# Altium PCB 运动控制板.PcbDoc (part 2 of 3) (continued)
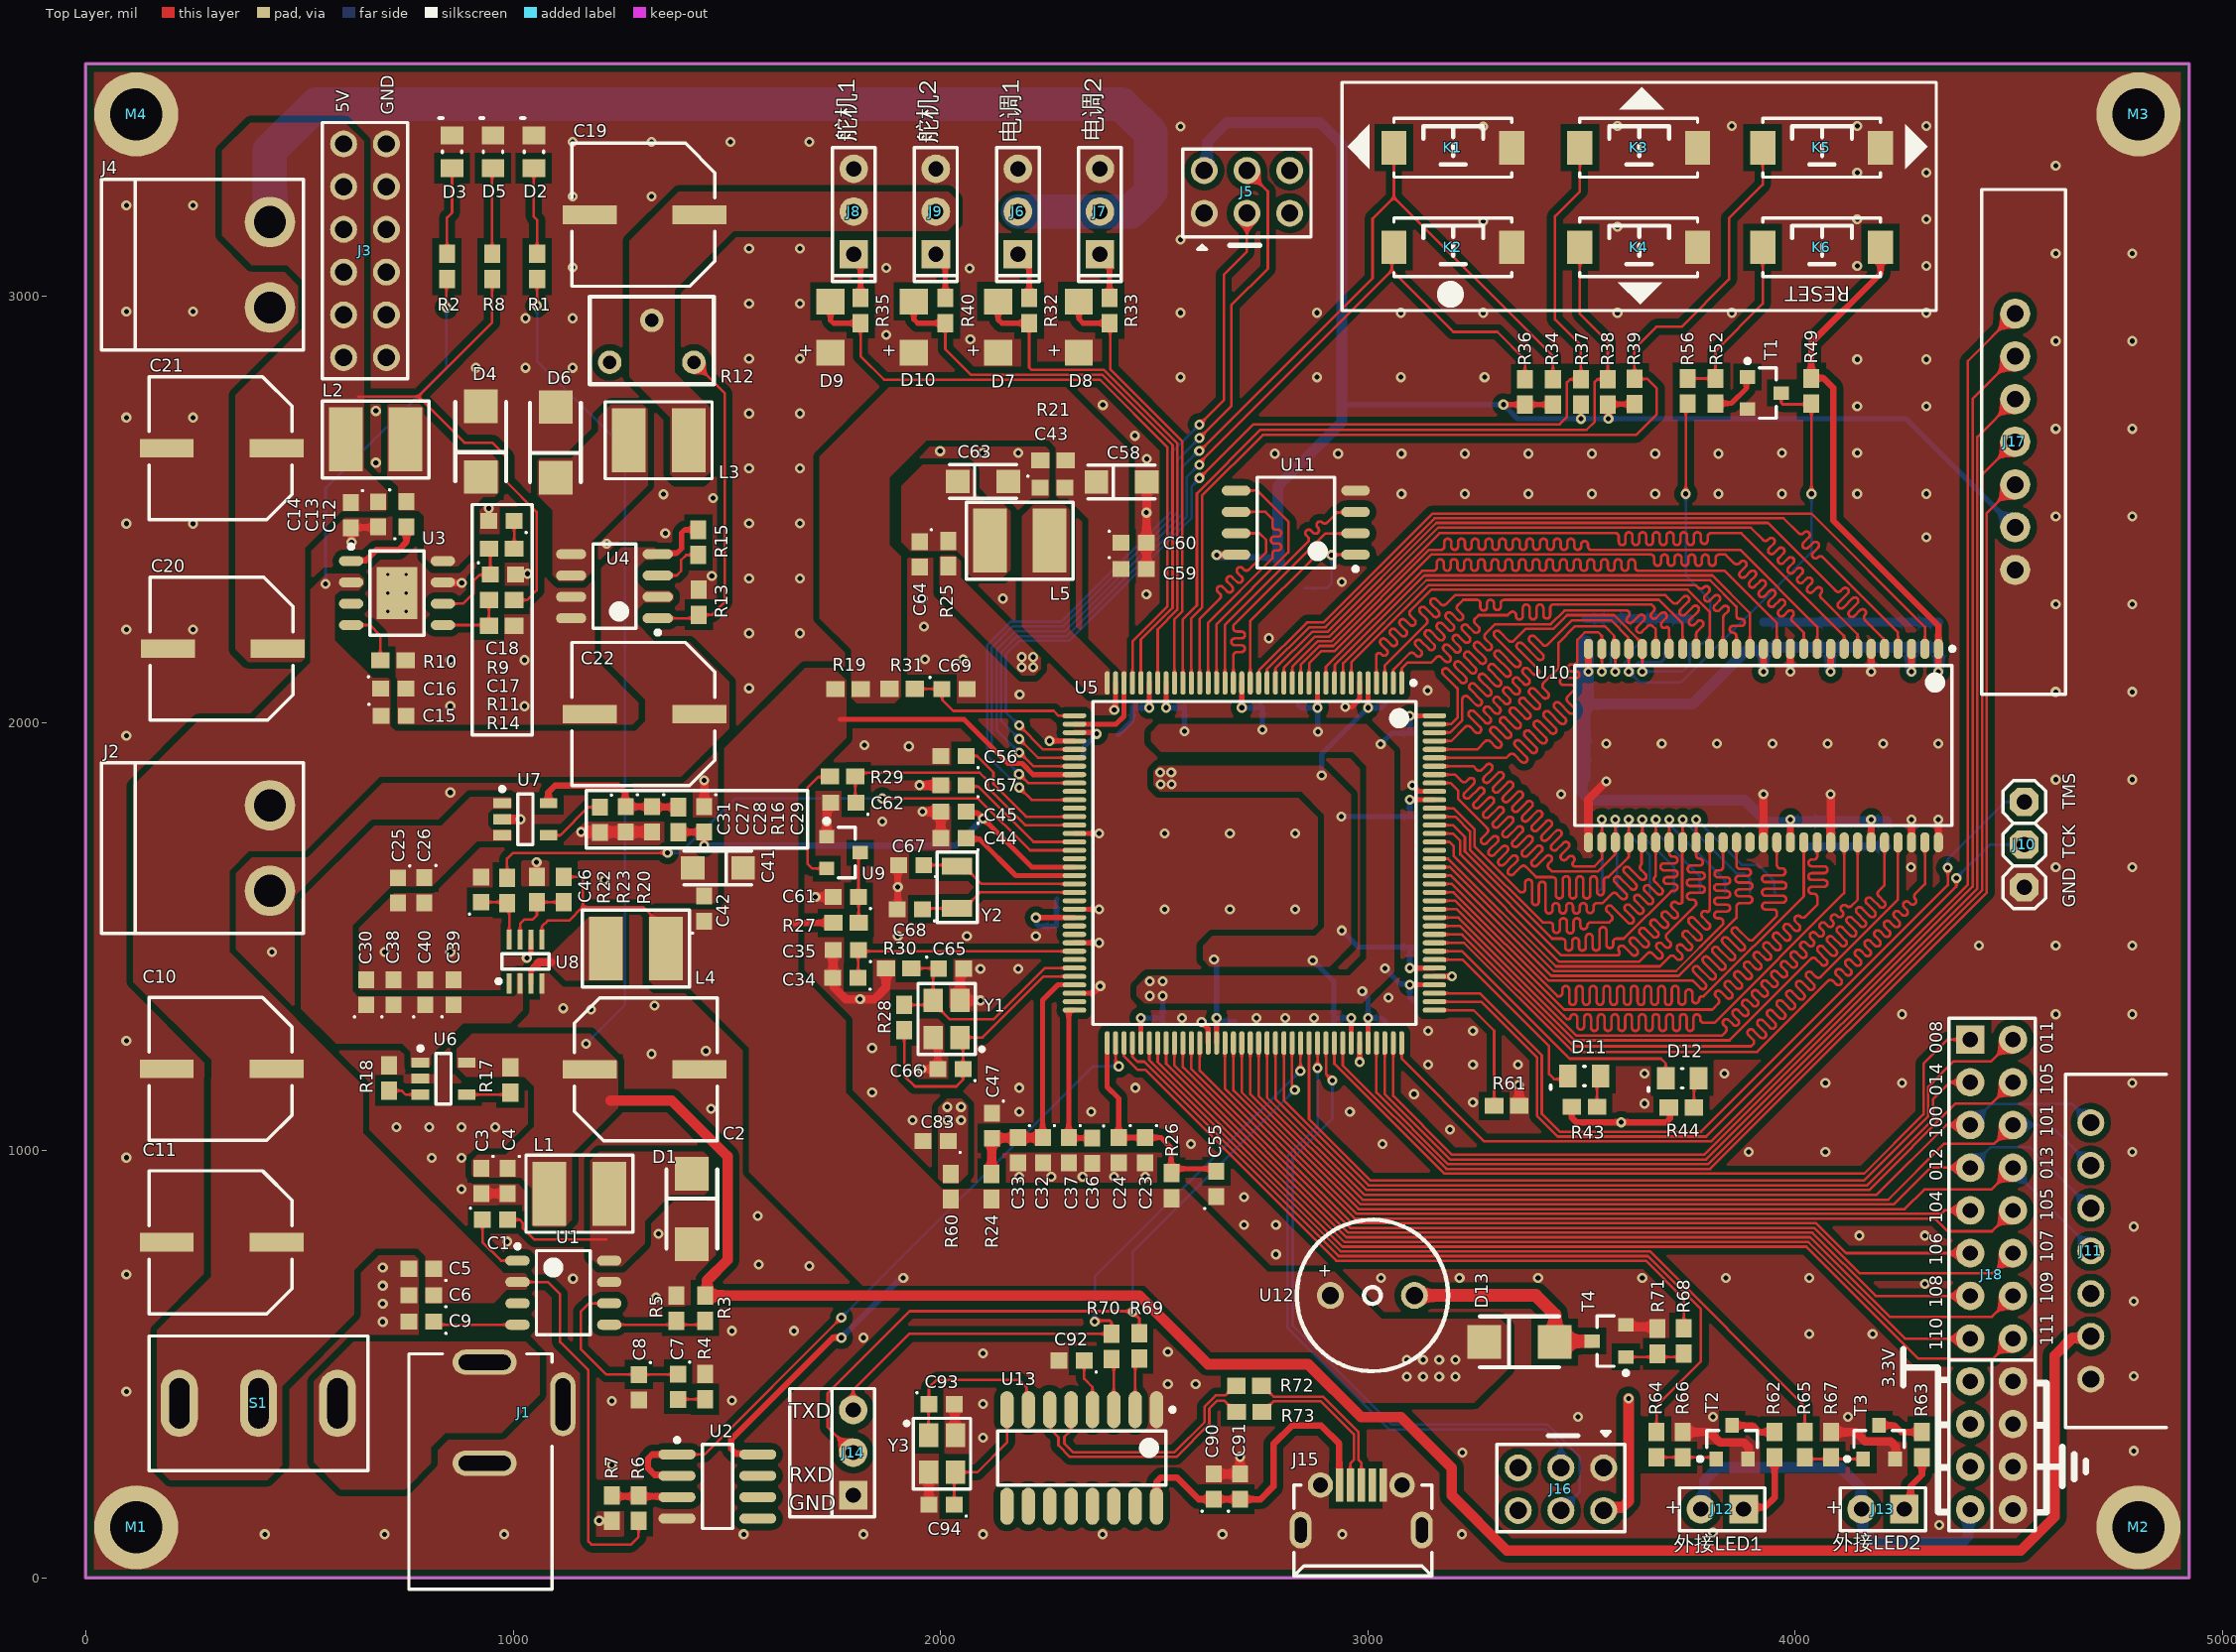
[diagram p0: Top Layer view]
## Nets (pads, with @x,y where several pads share a name; then routed paths per layer and width w, separated by ;. In a path a pad name is that pad's centre, name@x,y a point inside that pad or via, vN(x,y) a via of type N, cw(c..) or ccw(c..) an arc to the next point about the centre after c; other vN are vias at no path point) (continued)
EMC_08: U5.9 U10.15 | length 1220.9
  Top Layer w6: U5.9@2921.59,2094.44 2922.7,2095.55 2922.7,2136.7 3131.96,2345.96 3806.04,2345.96 3894.04,2257.96 U10.15@3894.04,2174.23
EMC_09: U5.8 U10.16 | length 1220.8
  Top Layer w6: U5.8@2942.39,2095.55 2942.39,2140.39 3136.96,2334.96 3800.48,2334.96 3862.55,2272.9 3862.55,2252 ccw(c3870.55,2252) 3870.55,2244 3873.8,2244 cw(c3873.8,2236) 3881.8,2236 cw(c3873.8,2236) 3873.8,2228 3854.55,2228 ccw(c3854.55,2220) 3846.55,2220 ccw(c3854.55,2220) 3854.55,2212 cw(c3854.55,2204) 3862.55,2204 U10.16@3862.55,2174.23 U10.16@3862.55,2173.26
EMC_10: U5.7 U10.17 | length 1220.1
  Top Layer w6: U5.7@2961.44,2095.35 2961.44,2142.44 3142.57,2323.57 3767.43,2323.57 3773.68,2317.32 ccw(c3779.34,2322.98) 3784.99,2317.31 3785.98,2318.31 cw(c3791.63,2312.65) 3797.29,2318.31 cw(c3791.63,2312.65) 3797.29,2306.99 3789.08,2298.79 ccw(c3794.74,2293.13) 3789.08,2287.47 ccw(c3794.74,2293.13) 3800.4,2287.47 3810.75,2297.82 cw(c3816.41,2292.17) 3822.06,2297.82 cw(c3816.41,2292.17) 3822.06,2286.51 3811.71,2276.16 ccw(c3817.37,2270.5) 3811.71,2264.84 ccw(c3817.37,2270.5) 3823.03,2264.84 3830.91,2272.73 cw(c3836.57,2267.07) 3842.23,2272.73 cw(c3836.57,2267.07) 3842.23,2261.42 3833.39,2252.58 ccw(c3839.05,2246.93) 3831.05,2246.93 U10.17@3831.05,2174.23
EMC_11: U5.4 U10.18 | length 1221
  Top Layer w6: U5.4@3020.02,2094.44 3020.02,2158.61 cw(c3026.02,2158.61) 3030.28,2162.84 3032.58,2160.54 ccw(c3038.24,2166.19) 3043.89,2160.54 ccw(c3038.24,2166.19) 3043.89,2171.85 3030.81,2184.94 cw(c3036.46,2190.59) 3030.81,2196.25 cw(c3036.46,2190.59) 3042.12,2196.25 3055.21,2183.16 ccw(c3060.87,2188.82) 3066.52,2183.16 ccw(c3060.87,2188.82) 3066.52,2194.48 3053.43,2207.56 cw(c3059.09,2213.22) 3053.43,2218.88 cw(c3059.09,2213.22) 3064.75,2218.88 3077.84,2205.79 ccw(c3083.49,2211.45) 3089.15,2205.79 ccw(c3083.49,2211.45) 3089.15,2217.11 3076.06,2230.19 cw(c3081.72,2235.85) 3076.06,2241.51 cw(c3081.72,2235.85) 3087.38,2241.51 3098.21,2230.68 ccw(c3103.86,2236.33) 3109.52,2230.68 ccw(c3103.86,2236.33) 3109.52,2241.99 3099.41,2252.1 cw(c3105.07,2257.75) 3099.4,2263.4 3148.4,2312.4 3748.6,2312.4 3799.56,2261.44 U10.18@3799.56,2174.23
EMC_12: U5.3 U10.19 | length 1223.1
  Top Layer w6: U5.3@3039.7,2094.44 3039.7,2135.7 3137.22,2233.22 ccw(c3131.56,2238.87) 3137.22,2244.52 3122.67,2259.08 cw(c3128.33,2264.73) 3122.67,2270.39 cw(c3128.33,2264.73) 3133.98,2270.39 3153.7,2250.67 ccw(c3159.36,2256.33) 3165.02,2250.67 ccw(c3159.36,2256.33) 3165.02,2261.98 3148.36,2278.64 cw(c3154.02,2284.29) 3148.36,2289.95 cw(c3154.02,2284.29) 3159.68,2289.95 3171.16,2278.47 ; 3171.16,2278.46 ccw(c3176.81,2284.13) 3182.46,2278.46 3204,2300 3696,2300 3713.73,2282.27 ccw(c3719.39,2287.93) 3725.04,2282.26 3738.45,2295.68 cw(c3744.11,2290.02) 3749.77,2295.68 cw(c3744.11,2290.02) 3749.77,2284.36 3731.14,2265.73 ccw(c3736.79,2260.08) 3731.14,2254.42 ccw(c3736.79,2260.08) 3742.45,2254.42 3761.08,2273.05 cw(c3766.74,2267.39) 3772.39,2273.05 cw(c3766.74,2267.39) 3772.39,2261.74 3753.22,2242.56 ccw(c3758.88,2236.91) 3753.22,2231.25 ccw(c3758.88,2236.91) 3764.53,2231.25 3771.58,2238.3 cw(c3777.24,2232.64) 3782.9,2238.3 cw(c3777.24,2232.64) 3782.9,2226.99 3770.4,2214.49 ccw(c3776.06,2208.83) 3768.06,2208.83 U10.19@3768.06,2174.23 U10.19@3768.06,2172.28
EMC_13: U5.2 U10.20 | length 1221.1
  Top Layer w6: U5.2@3059.39,2094.44 3059.39,2125.39 3097.12,2163.12 cw(c3102.77,2157.46) 3108.42,2163.12 3112.89,2158.66 ccw(c3118.55,2164.31) 3124.21,2158.66 ccw(c3118.55,2164.31) 3124.21,2169.97 3112.52,2181.65 cw(c3118.18,2187.31) 3112.52,2192.97 cw(c3118.18,2187.31) 3123.84,2192.97 3143.08,2173.73 ccw(c3148.74,2179.38) 3154.39,2173.72 ccw(c3148.74,2179.38) 3154.39,2185.04 3135.15,2204.28 cw(c3140.81,2209.94) 3135.15,2215.59 cw(c3140.81,2209.94) 3146.46,2215.59 3165.71,2196.35 ccw(c3171.36,2202.01) 3177.02,2196.35 ccw(c3171.36,2202.01) 3177.02,2207.67 3162.95,2221.73 cw(c3168.61,2227.39) 3162.95,2233.05 cw(c3168.61,2227.39) 3174.27,2233.05 3188.33,2218.98 ccw(c3193.99,2224.64) 3199.65,2218.98 ccw(c3193.99,2224.64) 3199.65,2230.29 3184.02,2245.92 cw(c3189.67,2251.58) 3184.02,2257.24 cw(c3189.67,2251.58) 3195.33,2257.24 3209.36,2243.21 ccw(c3215.02,2248.87) 3220.67,2243.21 ccw(c3215.02,2248.87) 3220.67,2254.52 3210.26,2264.94 cw(c3215.91,2270.6) 3210.25,2276.25 3223,2289 3255,2289 cw(c3255,2281) 3263,2281 3263,2272 ccw(c3271,2272) 3271,2264 ccw(c3271,2272) 3279,2272 3279,2281 cw(c3287,2281) 3287,2289 cw(c3287,2281) 3295,2281 3295,2272.96 ccw(c3303,2272.96) 3303,2264.96 ccw(c3303,2272.96) 3311,2272.96 3311,2281 cw(c3319,2281) 3319,2289 3681,2289 3736.56,2233.44 U10.20@3736.56,2174.23
EMC_14: U5.1 U10.21 | length 1221.1
  Top Layer w6: U5.1@3079.07,2094.44 3079.07,2128.54 3092.53,2142 3148,2142 3160.44,2154.44 cw(c3166.09,2148.78) 3171.74,2154.44 3180.7,2145.49 ccw(c3186.35,2151.15) 3192.01,2145.49 ccw(c3186.35,2151.15) 3192.01,2156.8 3178.17,2170.64 cw(c3183.83,2176.29) 3178.17,2181.95 cw(c3183.83,2176.29) 3189.49,2181.95 3203.32,2168.12 ccw(c3208.98,2173.77) 3214.64,2168.12 ccw(c3208.98,2173.77) 3214.64,2179.43 3200.8,2193.26 cw(c3206.46,2198.92) 3200.8,2204.58 cw(c3206.46,2198.92) 3212.12,2204.58 3225.95,2190.74 ccw(c3231.61,2196.4) 3237.26,2190.74 ccw(c3231.61,2196.4) 3237.26,2202.06 3221.83,2217.49 cw(c3227.49,2223.15) 3221.83,2228.81 cw(c3227.49,2223.15) 3233.14,2228.81 3247.79,2214.16 ccw(c3253.45,2219.82) 3259.1,2214.16 ccw(c3253.45,2219.82) 3259.1,2225.47 3250.95,2233.63 cw(c3256.6,2239.29) 3250.94,2244.94 3259,2253 3327,2253 3332.95,2258.95 cw(c3338.61,2253.29) 3346.61,2253.29 3346.61,2251 ccw(c3354.61,2251) 3354.61,2243 ccw(c3354.61,2251) 3362.61,2251 3362.61,2270 cw(c3370.61,2270) 3370.61,2278 cw(c3370.61,2270) 3378.61,2270 3378.61,2251 ccw(c3386.61,2251) 3386.61,2243 ccw(c3386.61,2251) 3394.61,2251 3394.61,2270 cw(c3402.61,2270) 3402.61,2278 cw(c3402.61,2270) 3410.61,2270 3410.61,2253.16 ccw(c3418.61,2253.16) 3418.61,2245.16 ccw(c3418.61,2253.16) 3426.61,2253.16 3426.61,2270 cw(c3434.61,2270) 3434.61,2278 3664,2278 3668.41,2273.59 ; 3668.41,2262.28 3664.44,2258.31 ccw(c3670.1,2252.66) 3664.44,2247 ccw(c3670.1,2252.66) 3675.75,2247 3685.94,2257.19 cw(c3691.6,2251.53) 3697.26,2257.19 cw(c3691.6,2251.53) 3697.26,2245.87 3688.1,2236.71 ccw(c3693.75,2231.06) 3688.1,2225.4 ccw(c3693.75,2231.06) 3699.41,2225.4 cw(c3699.07,2219.41) 3705.07,2219.41 U10.21@3705.07,2174.23 ; 3668.41,2262.29 ccw(c3662.75,2267.94) 3668.41,2273.59
EMC_15: U5.143 U10.22 | length 1221.1
  Top Layer w6: U5.143@3155.84,1997.98 3194.98,1997.98 3210,2013 3210,2077.97 ccw(c3202,2077.97) 3207.66,2083.62 ; 3207.66,2083.62 3176.11,2115.17 cw(c3181.76,2120.83) 3176.11,2126.49 cw(c3181.76,2120.83) 3187.42,2126.49 3217.52,2096.39 ccw(c3223.18,2102.05) 3228.83,2096.39 ccw(c3223.18,2102.05) 3228.83,2107.7 3204.96,2131.57 cw(c3210.62,2137.23) 3204.96,2142.89 cw(c3210.62,2137.23) 3216.28,2142.89 3240.15,2119.02 ccw(c3245.8,2124.67) 3251.46,2119.02 ccw(c3245.8,2124.67) 3251.46,2130.33 3227.59,2154.2 cw(c3233.25,2159.86) 3227.59,2165.51 cw(c3233.25,2159.86) 3238.9,2165.51 3262.77,2141.64 ccw(c3268.43,2147.3) 3274.09,2141.64 ccw(c3268.43,2147.3) 3274.09,2152.96 3250.22,2176.83 cw(c3255.87,2182.48) 3250.22,2188.14 cw(c3255.87,2182.48) 3261.53,2188.14 3276.58,2173.09 ccw(c3282.24,2178.75) 3287.89,2173.09 ccw(c3282.24,2178.75) 3287.89,2184.41 3274.81,2197.49 cw(c3280.46,2203.15) 3274.8,2208.8 3298,2232 3428,2232 3460,2264 3604.24,2264 cw(c3604.24,2256) 3609.9,2250.35 3607.76,2248.21 ccw(c3613.42,2242.55) 3607.76,2236.89 ccw(c3613.42,2242.55) 3619.07,2236.89 3634.13,2251.95 cw(c3639.78,2246.29) 3645.44,2251.95 cw(c3639.78,2246.29) 3645.44,2240.64 3630.39,2225.58 ccw(c3636.04,2219.92) 3630.39,2214.27 ccw(c3636.04,2219.92) 3641.7,2214.27 3655.06,2227.63 ; 3655.07,2227.63 cw(c3660.72,2221.97) 3666.37,2227.63 3673.57,2220.43 U10.22@3673.57,2174.23
EMC_28: U5.128
EMC_29: U5.127 U10.37 | length 1219
  Top Layer w6: U5.127@3155.84,1683.02 3187.98,1683.02 3440,1431 3683,1431 3705.97,1453.97 cw(c3711.62,1448.31) 3717.27,1453.97 3722.64,1448.61 ccw(c3728.29,1454.27) 3733.95,1448.61 ccw(c3728.29,1454.27) 3733.95,1459.93 3725.18,1468.7 cw(c3730.84,1474.35) 3725.18,1480.01 cw(c3730.84,1474.35) 3736.49,1480.01 3745.26,1471.24 ccw(c3750.92,1476.9) 3756.58,1471.24 ccw(c3750.92,1476.9) 3756.58,1482.55 3738.73,1500.4 cw(c3744.38,1506.06) 3738.73,1511.72 cw(c3744.38,1506.06) 3750.04,1511.72 3767.89,1493.87 ccw(c3773.55,1499.52) 3779.2,1493.87 ccw(c3773.55,1499.52) 3779.2,1505.18 3752.13,1532.26 cw(c3757.78,1537.91) 3752.13,1543.57 cw(c3757.78,1537.91) 3763.44,1543.57 3787.15,1519.86 ccw(c3792.81,1525.52) 3798.46,1519.86 ccw(c3792.81,1525.52) 3798.46,1531.18 3782.58,1547.05 cw(c3788.24,1552.71) 3782.58,1558.37 cw(c3788.24,1552.71) 3793.9,1558.37 ccw(c3793.56,1564.36) 3799.56,1564.39 3799.56,1601.44 ; 3799.56,1603.44 U10.37@3799.56,1721.47
EMC_30: U5.126 U10.38 | length 1219
  Top Layer w6: U5.126@3155.84,1663.34 3191.66,1663.34 3435,1420 3721,1420 3831.05,1530.05 3831.05,1535.61 ccw(c3823.05,1535.61) 3823.05,1543.61 3818.56,1543.61 cw(c3818.56,1551.61) 3810.56,1551.61 cw(c3818.56,1551.61) 3818.56,1559.61 3839.77,1559.61 ccw(c3839.77,1567.61) 3847.77,1567.61 ccw(c3839.77,1567.61) 3839.77,1575.61 3818.56,1575.61 cw(c3818.56,1583.61) 3810.56,1583.61 cw(c3818.56,1583.61) 3818.56,1591.61 3839.77,1591.61 ccw(c3839.77,1599.61) 3847.77,1599.61 ccw(c3839.77,1599.61) 3839.77,1607.61 3818.56,1607.61 cw(c3818.56,1615.61) 3810.56,1615.61 cw(c3818.56,1615.61) 3818.56,1623.61 3839.77,1623.61 ccw(c3839.77,1631.61) 3847.77,1631.61 ccw(c3839.77,1631.61) 3839.77,1639.61 3819.24,1639.61 cw(c3819.24,1647.61) 3811.24,1647.61 cw(c3819.24,1647.61) 3819.24,1655.61 3823.05,1655.61 ccw(c3823.05,1663.61) 3831.05,1663.61 U10.38@3831.05,1702.53 ; U10.38@3831.05,1704.53 U10.38@3831.05,1721.47
EMC_31: U5.125 U10.39 | length 1221
  Top Layer w6: U5.125@3155.84,1643.65 3194.35,1643.65 3429,1409 3727,1409 3862.55,1544.55 3862.55,1571.16 cw(c3870.55,1571.16) 3870.55,1579.16 3891.71,1579.16 ccw(c3891.71,1587.16) 3899.71,1587.16 ccw(c3891.71,1587.16) 3891.71,1595.16 3868.17,1595.16 cw(c3868.17,1603.16) 3860.17,1603.16 cw(c3868.17,1603.16) 3868.17,1611.16 3891.71,1611.16 ccw(c3891.71,1619.16) 3899.71,1619.16 ccw(c3891.71,1619.16) 3891.71,1627.16 3868.17,1627.16 cw(c3868.17,1635.16) 3860.17,1635.16 cw(c3868.17,1635.16) 3868.17,1643.16 3888.09,1643.16 ccw(c3888.09,1651.16) 3896.09,1651.16 ccw(c3888.09,1651.16) 3888.09,1659.16 3870.55,1659.16 cw(c3870.55,1667.16) 3862.55,1667.16 U10.39@3862.55,1721.47
EMC_32: U5.124 U10.42 | length 1897.7
  Top Layer w6: U5.124@3155.84,1623.97 3196.59,1623.97 3422.56,1398 3756.75,1398 cw(c3756.75,1390) 3762.4,1395.66 ; 3762.4,1395.66 3778.09,1379.96 ccw(c3783.75,1385.62) 3789.41,1379.96 ccw(c3783.75,1385.62) 3789.41,1391.28 3762.78,1417.91 cw(c3768.44,1423.57) 3762.78,1429.22 cw(c3768.44,1423.57) 3774.09,1429.22 3800.72,1402.59 ccw(c3806.38,1408.25) 3812.04,1402.59 ccw(c3806.38,1408.25) 3812.04,1413.91 3785.41,1440.54 cw(c3791.06,1446.19) 3785.41,1451.85 cw(c3791.06,1446.19) 3796.72,1451.85 3823.35,1425.22 ccw(c3829.01,1430.88) 3834.66,1425.22 ccw(c3829.01,1430.88) 3834.66,1436.53 3808.03,1463.16 cw(c3813.69,1468.82) 3808.03,1474.48 cw(c3813.69,1468.82) 3819.35,1474.48 3845.98,1447.85 ccw(c3851.63,1453.5) 3857.29,1447.85 ccw(c3851.63,1453.5) 3857.29,1459.16 3830.66,1485.79 cw(c3836.32,1491.45) 3830.66,1497.1 cw(c3836.32,1491.45) 3841.97,1497.1 3868.6,1470.47 ccw(c3874.26,1476.13) 3879.92,1470.47 ccw(c3874.26,1476.13) 3879.92,1481.79 3853.29,1508.42 cw(c3858.94,1514.07) 3853.29,1519.73 cw(c3858.94,1514.07) 3864.6,1519.73 3890.51,1493.82 ; 3890.52,1493.82 ccw(c3896.17,1499.48) 3901.82,1493.82 3957.04,1549.04 3957.04,1552.97 ; 3957.04,1553.35 3957.04,1556.35 ccw(c3949.04,1556.35) 3949.04,1564.35 3930.46,1564.35 cw(c3930.46,1572.35) 3922.46,1572.35 cw(c3930.46,1572.35) 3930.46,1580.35 3970.9,1580.35 ccw(c3970.9,1588.35) 3978.9,1588.35 ccw(c3970.9,1588.35) 3970.9,1596.35 3930.46,1596.35 cw(c3930.46,1604.35) 3922.46,1604.35 cw(c3930.46,1604.35) 3930.46,1612.35 3970.9,1612.35 ccw(c3970.9,1620.35) 3978.9,1620.35 ccw(c3970.9,1620.35) 3970.9,1628.35 3930.46,1628.35 cw(c3930.46,1636.35) 3922.46,1636.35 cw(c3930.46,1636.35) 3930.46,1644.35 3969.12,1644.35 ccw(c3969.12,1652.35) 3977.12,1652.35 ccw(c3969.12,1652.35) 3969.12,1660.35 3965.04,1660.35 cw(c3965.04,1668.35) 3957.04,1668.35 U10.42@3957.04,1699.06 ; U10.42@3957.04,1701.06 U10.42@3957.04,1721.47
EMC_33: U5.123 U10.44 | length 1901
  Top Layer w6: U5.123@3155.84,1604.28 3200.72,1604.28 3444,1361 3447.05,1361 ccw(c3447.05,1369) 3455.05,1369 3455.05,1377.11 cw(c3463.05,1377.11) 3463.05,1385.11 cw(c3463.05,1377.11) 3471.05,1377.11 3471.05,1349 ccw(c3479.05,1349) 3479.05,1341 ccw(c3479.05,1349) 3487.05,1349 3487.05,1377.11 cw(c3495.05,1377.11) 3495.05,1385.11 cw(c3495.05,1377.11) 3503.05,1377.11 3503.05,1349 ccw(c3511.05,1349) 3511.05,1341 ccw(c3511.05,1349) 3519.05,1349 3519.05,1377.11 cw(c3527.05,1377.11) 3527.05,1385.11 cw(c3527.05,1377.11) 3535.05,1377.11 3535.05,1349 ccw(c3543.05,1349) 3543.05,1341 ccw(c3543.05,1349) 3551.05,1349 3551.05,1377.11 cw(c3559.05,1377.11) 3559.05,1385.11 cw(c3559.05,1377.11) 3567.05,1377.11 3567.05,1349 ccw(c3575.05,1349) 3575.05,1341 ccw(c3575.05,1349) 3583.05,1349 3583.05,1377.11 cw(c3591.05,1377.11) 3591.05,1385.11 cw(c3591.05,1377.11) 3599.05,1377.11 3599.05,1349 ccw(c3607.05,1349) 3607.05,1341 ccw(c3607.05,1349) 3615.05,1349 3615.05,1377.11 cw(c3623.05,1377.11) 3623.05,1385.11 cw(c3623.05,1377.11) 3631.05,1377.11 3631.05,1349 ccw(c3639.05,1349) 3639.05,1341 ccw(c3639.05,1349) 3647.05,1349 3647.05,1377.11 cw(c3655.05,1377.11) 3655.05,1385.11 cw(c3655.05,1377.11) 3663.05,1377.11 3663.05,1349 ccw(c3671.05,1349) 3671.05,1341 ccw(c3671.05,1349) 3679.05,1349 3679.05,1377.11 cw(c3687.05,1377.11) 3687.05,1385.11 cw(c3687.05,1377.11) 3695.05,1377.11 3695.05,1349 ccw(c3703.05,1349) 3703.05,1341 ccw(c3703.05,1349) 3711.05,1349 3711.05,1377.11 cw(c3719.05,1377.11) 3719.05,1385.11 cw(c3719.05,1377.11) 3727.05,1377.11 3727.05,1349.52 ccw(c3735.05,1349.52) 3735.05,1341.52 ccw(c3735.05,1349.52) 3743.05,1349.52 3743.05,1369 cw(c3751.05,1369) 3751.05,1377 cw(c3751.05,1369) 3759.05,1369 3759.05,1353 ccw(c3767.05,1353) 3767.05,1345 ccw(c3767.05,1353) 3775.05,1353 cw(c3783.05,1353) 3783.05,1361 3786,1361 4020.03,1595.03 U10.44@4020.03,1721.47
EMC_34: U5.122 U10.45 | length 1899
  Top Layer w6: U5.122@3155.84,1584.6 3204.57,1584.6 3459.17,1330 3806,1330 3819.74,1343.74 ccw(c3814.09,1349.4) 3819.75,1355.05 3814.34,1360.47 cw(c3819.99,1366.12) 3814.34,1371.78 cw(c3819.99,1366.12) 3825.65,1371.78 3839.57,1357.86 ccw(c3845.22,1363.52) 3850.88,1357.86 ccw(c3845.22,1363.52) 3850.88,1369.17 3836.9,1383.15 cw(c3842.56,1388.81) 3836.9,1394.47 cw(c3842.56,1388.81) 3848.22,1394.47 3862.19,1380.49 ccw(c3867.85,1386.15) 3873.51,1380.49 ccw(c3867.85,1386.15) 3873.51,1391.8 3859.53,1405.78 cw(c3865.19,1411.44) 3859.53,1417.09 cw(c3865.19,1411.44) 3870.85,1417.09 3884.82,1403.12 ccw(c3890.48,1408.77) 3896.14,1403.12 ccw(c3890.48,1408.77) 3896.14,1414.43 3882.16,1428.41 cw(c3887.82,1434.06) 3882.16,1439.72 cw(c3887.82,1434.06) 3893.47,1439.72 3907.45,1425.74 ccw(c3913.11,1431.4) 3918.76,1425.74 ccw(c3913.11,1431.4) 3918.76,1437.06 3904.79,1451.03 cw(c3910.44,1456.69) 3904.79,1462.35 cw(c3910.44,1456.69) 3916.1,1462.35 3930.08,1448.37 ccw(c3935.73,1454.03) 3941.39,1448.37 ccw(c3935.73,1454.03) 3941.39,1459.68 3927.41,1473.66 cw(c3933.07,1479.32) 3927.41,1484.97 cw(c3933.07,1479.32) 3938.73,1484.97 3952.7,1471 ccw(c3958.36,1476.65) 3964.02,1471 ccw(c3958.36,1476.65) 3964.02,1482.31 3950.04,1496.29 cw(c3955.7,1501.95) 3950.04,1507.6 cw(c3955.7,1501.95) 3961.35,1507.6 3975.33,1493.63 ccw(c3980.99,1499.28) 3986.65,1493.63 ccw(c3980.99,1499.28) 3986.65,1504.94 3974.63,1516.95 cw(c3980.29,1522.61) 3974.63,1528.27 cw(c3980.29,1522.61) 3985.94,1528.27 3997.96,1516.25 ccw(c4003.62,1521.91) 4009.27,1516.25 ccw(c4003.62,1521.91) 4009.27,1527.57 4000.76,1536.08 cw(c4006.42,1541.73) 4000.76,1547.39 cw(c4006.42,1541.73) 4012.08,1547.39 ccw(c4017.73,1553.05) 4023.38,1547.38 4051.52,1575.52 4051.52,1593.26 ccw(c4043.52,1593.26) 4043.52,1601.26 4039.03,1601.26 cw(c4039.03,1609.26) 4031.03,1609.26 cw(c4039.03,1609.26) 4039.03,1617.26 4067.4,1617.26 ccw(c4067.4,1625.26) 4075.4,1625.26 ccw(c4067.4,1625.26) 4067.4,1633.26 4039.03,1633.26 cw(c4039.03,1641.26) 4031.03,1641.26 cw(c4039.03,1641.26) 4039.03,1649.26 4067.4,1649.26 ccw(c4067.4,1657.26) 4075.4,1657.26 ccw(c4067.4,1657.26) 4067.4,1665.26 4039.03,1665.26 cw(c4039.03,1673.26) 4031.03,1673.26 cw(c4039.03,1673.26) 4039.03,1681.26 4043.52,1681.26 ccw(c4043.52,1689.26) 4051.52,1689.26 U10.45@4051.52,1713.53 ; U10.45@4051.52,1715.53 U10.45@4051.52,1721.47
EMC_35: U5.121 U10.47 | length 1901
  Top Layer w6: U5.121@3155.84,1564.91 3208.09,1564.91 3458,1315 3464.14,1308.86 ccw(c3468.38,1313.1) 3474,1311 cw(c3482,1311) 3482,1319 cw(c3482,1311) 3490,1311 3490,1291 ccw(c3498,1291) 3498,1283 ccw(c3498,1291) 3506,1291 3506,1311 cw(c3514,1311) 3514,1319 cw(c3514,1311) 3522,1311 3522,1288 ccw(c3530,1288) 3530,1280 ccw(c3530,1288) 3538,1288 3538,1311 cw(c3546,1311) 3546,1319 cw(c3546,1311) 3554,1311 3554,1288 ccw(c3562,1288) 3562,1280 ccw(c3562,1288) 3570,1288 3570,1311 cw(c3578,1311) 3578,1319 cw(c3578,1311) 3586,1311 3586,1288 ccw(c3594,1288) 3594,1280 ccw(c3594,1288) 3602,1288 3602,1311 cw(c3610,1311) 3610,1319 cw(c3610,1311) 3618,1311 3618,1288 ccw(c3626,1288) 3626,1280 ccw(c3626,1288) 3634,1288 3634,1311 cw(c3642,1311) 3642,1319 cw(c3642,1311) 3650,1311 3650,1288 ccw(c3658,1288) 3658,1280 ccw(c3658,1288) 3666,1288 3666,1311 cw(c3674,1311) 3674,1319 cw(c3674,1311) 3682,1311 3682,1288 ccw(c3690,1288) 3690,1280 ccw(c3690,1288) 3698,1288 3698,1311 cw(c3706,1311) 3706,1319 cw(c3706,1311) 3714,1311 3714,1288 ccw(c3722,1288) 3722,1280 ccw(c3722,1288) 3730,1288 3730,1311 cw(c3738,1311) 3738,1319 cw(c3738,1311) 3746,1311 3746,1288 ccw(c3754,1288) 3754,1280 ccw(c3754,1288) 3762,1288 3762,1310.69 cw(c3770,1310.69) 3770,1318.69 cw(c3770,1310.69) 3778,1310.69 3778,1307 ccw(c3786,1307) 3786,1299 3811,1299 4114.52,1602.52 U10.47@4114.52,1721.47
EMC_36: U5.120 U10.48 | length 1901
  Top Layer w6: U5.120@3155.84,1545.23 3212.22,1545.23 3488.44,1269 3828,1269 3837.22,1278.22 ccw(c3831.56,1283.87) 3837.22,1289.52 3832.81,1293.94 cw(c3838.46,1299.59) 3832.81,1305.25 cw(c3838.46,1299.59) 3844.12,1305.25 3854.72,1294.65 ccw(c3860.38,1300.31) 3866.03,1294.65 ccw(c3860.38,1300.31) 3866.03,1305.97 3855.43,1316.56 cw(c3861.09,1322.22) 3855.43,1327.88 cw(c3861.09,1322.22) 3866.75,1327.88 3877.35,1317.28 ccw(c3883,1322.94) 3888.66,1317.28 ccw(c3883,1322.94) 3888.66,1328.59 3878.06,1339.19 cw(c3883.72,1344.85) 3878.06,1350.51 cw(c3883.72,1344.85) 3889.38,1350.51 3899.97,1339.91 ccw(c3905.63,1345.56) 3911.29,1339.91 ccw(c3905.63,1345.56) 3911.29,1351.22 3900.69,1361.82 cw(c3906.35,1367.48) 3900.69,1373.13 cw(c3906.35,1367.48) 3912,1373.13 3922.6,1362.54 ccw(c3928.26,1368.19) 3933.91,1362.54 ccw(c3928.26,1368.19) 3933.91,1373.85 3923.32,1384.45 cw(c3928.97,1390.1) 3923.32,1395.76 cw(c3928.97,1390.1) 3934.63,1395.76 3945.23,1385.16 ccw(c3950.89,1390.82) 3956.54,1385.16 ccw(c3950.89,1390.82) 3956.54,1396.48 3945.94,1407.07 cw(c3951.6,1412.73) 3945.94,1418.39 cw(c3951.6,1412.73) 3957.26,1418.39 3967.86,1407.79 ccw(c3973.51,1413.45) 3979.17,1407.79 ccw(c3973.51,1413.45) 3979.17,1419.1 3968.57,1429.7 cw(c3974.23,1435.36) 3968.57,1441.02 cw(c3974.23,1435.36) 3979.89,1441.02 3990.48,1430.42 ccw(c3996.14,1436.07) 4001.8,1430.42 ccw(c3996.14,1436.07) 4001.8,1441.73 3991.2,1452.33 cw(c3996.86,1457.99) 3991.2,1463.64 cw(c3996.86,1457.99) 4002.51,1463.64 4013.11,1453.04 ccw(c4018.77,1458.7) 4024.42,1453.04 ccw(c4018.77,1458.7) 4024.42,1464.36 4013.83,1474.96 cw(c4019.48,1480.61) 4013.83,1486.27 cw(c4019.48,1480.61) 4025.14,1486.27 4030.85,1480.56 ccw(c4036.5,1486.22) 4042.16,1480.56 ccw(c4036.5,1486.22) 4042.16,1491.88 4036.45,1497.58 cw(c4042.11,1503.24) 4036.45,1508.9 cw(c4042.11,1503.24) 4047.77,1508.9 4053.47,1503.19 ccw(c4059.13,1508.85) 4064.79,1503.19 ccw(c4059.13,1508.85) 4064.79,1514.5 4059.08,1520.21 cw(c4064.74,1525.87) 4059.08,1531.52 cw(c4064.74,1525.87) 4070.39,1531.52 4076.1,1525.82 ccw(c4081.76,1531.47) 4087.42,1525.82 ccw(c4081.76,1531.47) 4087.42,1537.13 4085.81,1538.74 cw(c4091.47,1544.4) 4085.81,1550.05 cw(c4091.47,1544.4) 4097.12,1550.05 4098.73,1548.45 ccw(c4104.39,1554.1) 4110.04,1548.45 ccw(c4104.39,1554.1) 4110.04,1559.76 4108.74,1561.06 cw(c4114.4,1566.71) 4108.74,1572.37 cw(c4114.4,1566.71) 4120.06,1572.37 ccw(c4125.71,1578.03) 4131.36,1572.36 4146.01,1587.01 U10.48@4146.01,1721.47
EMC_37: U5.119 U10.50 | length 1900.2
  Top Layer w6: U5.119@3155.84,1525.54 3216.34,1525.54 3483.89,1258 3846,1258 4036.74,1448.74 cw(c4042.4,1443.08) 4048.05,1448.75 4061.46,1435.33 ccw(c4067.12,1440.99) 4072.77,1435.33 ccw(c4067.12,1440.99) 4072.77,1446.64 4053.94,1465.48 cw(c4059.6,1471.13) 4053.94,1476.79 cw(c4059.6,1471.13) 4065.26,1476.79 4084.09,1457.96 ccw(c4089.74,1463.61) 4095.4,1457.96 ccw(c4089.74,1463.61) 4095.4,1469.27 4076.57,1488.1 cw(c4082.23,1493.76) 4076.57,1499.42 cw(c4082.23,1493.76) 4087.88,1499.42 4106.72,1480.59 ccw(c4112.37,1486.24) 4118.03,1480.59 ccw(c4112.37,1486.24) 4118.03,1491.9 4099.2,1510.73 cw(c4104.85,1516.39) 4099.2,1522.04 cw(c4104.85,1516.39) 4110.51,1522.04 4129.34,1503.21 ccw(c4135,1508.87) 4140.66,1503.21 ccw(c4135,1508.87) 4140.66,1514.53 4121.83,1533.36 cw(c4127.48,1539.01) 4121.83,1544.67 cw(c4127.48,1539.01) 4133.14,1544.67 4151.97,1525.84 ccw(c4157.63,1531.5) 4163.28,1525.84 ccw(c4157.63,1531.5) 4163.28,1537.15 4144.45,1555.99 cw(c4150.11,1561.64) 4144.45,1567.3 cw(c4150.11,1561.64) 4155.77,1567.3 4174.6,1548.47 ccw(c4180.25,1554.12) 4185.91,1548.47 ccw(c4180.25,1554.12) 4185.91,1559.78 4167.08,1578.61 cw(c4172.74,1584.27) 4167.08,1589.93 cw(c4172.74,1584.27) 4178.39,1589.93 4197.23,1571.1 ccw(c4202.88,1576.75) 4208.54,1571.1 ccw(c4202.88,1576.75) 4208.54,1582.41 4195.13,1595.82 cw(c4200.79,1601.47) 4195.12,1607.12 4209,1621 U10.50@4209,1721.47
EMC_38: U5.118 U10.51 | length 1901.1
  Top Layer w6: U5.118@3155.84,1505.86 3220.47,1505.86 3482.33,1244 3897,1244 3901.27,1248.27 ccw(c3895.62,1253.93) 3901.28,1259.58 3890.72,1270.14 cw(c3896.38,1275.79) 3890.72,1281.45 cw(c3896.38,1275.79) 3902.04,1281.45 3918.31,1265.18 ccw(c3923.96,1270.83) 3929.62,1265.18 ccw(c3923.96,1270.83) 3929.62,1276.49 3913.35,1292.76 cw(c3919.01,1298.42) 3913.35,1304.08 cw(c3919.01,1298.42) 3924.66,1304.08 3940.94,1287.81 ccw(c3946.59,1293.46) 3952.25,1287.81 ccw(c3946.59,1293.46) 3952.25,1299.12 3935.98,1315.39 cw(c3941.63,1321.05) 3935.98,1326.7 cw(c3941.63,1321.05) 3947.29,1326.7 3963.56,1310.43 ccw(c3969.22,1316.09) 3974.88,1310.43 ccw(c3969.22,1316.09) 3974.88,1321.75 3958.6,1338.02 cw(c3964.26,1343.68) 3958.6,1349.33 cw(c3964.26,1343.68) 3969.92,1349.33 3986.19,1333.06 ccw(c3991.85,1338.72) 3997.5,1333.06 ccw(c3991.85,1338.72) 3997.5,1344.37 3981.23,1360.65 cw(c3986.89,1366.3) 3981.23,1371.96 cw(c3986.89,1366.3) 3992.55,1371.96 4008.82,1355.69 ccw(c4014.47,1361.34) 4020.13,1355.69 ccw(c4014.47,1361.34) 4020.13,1367 4003.86,1383.27 cw(c4009.52,1388.93) 4003.86,1394.59 cw(c4009.52,1388.93) 4015.17,1394.59 4031.45,1378.32 ccw(c4037.1,1383.97) 4042.76,1378.32 ccw(c4037.1,1383.97) 4042.76,1389.63 4027.27,1405.12 cw(c4032.93,1410.77) 4027.27,1416.43 cw(c4032.93,1410.77) 4038.58,1416.43 4048.35,1406.66 ; 4048.36,1406.66 ccw(c4054.01,1412.32) 4059.66,1406.66 ; 4059.66,1406.66 4240.5,1587.5 U10.51@4240.5,1721.47